# Altium PCB 891-萱250721-1.pcbdoc (part 2 of 5) (continued)
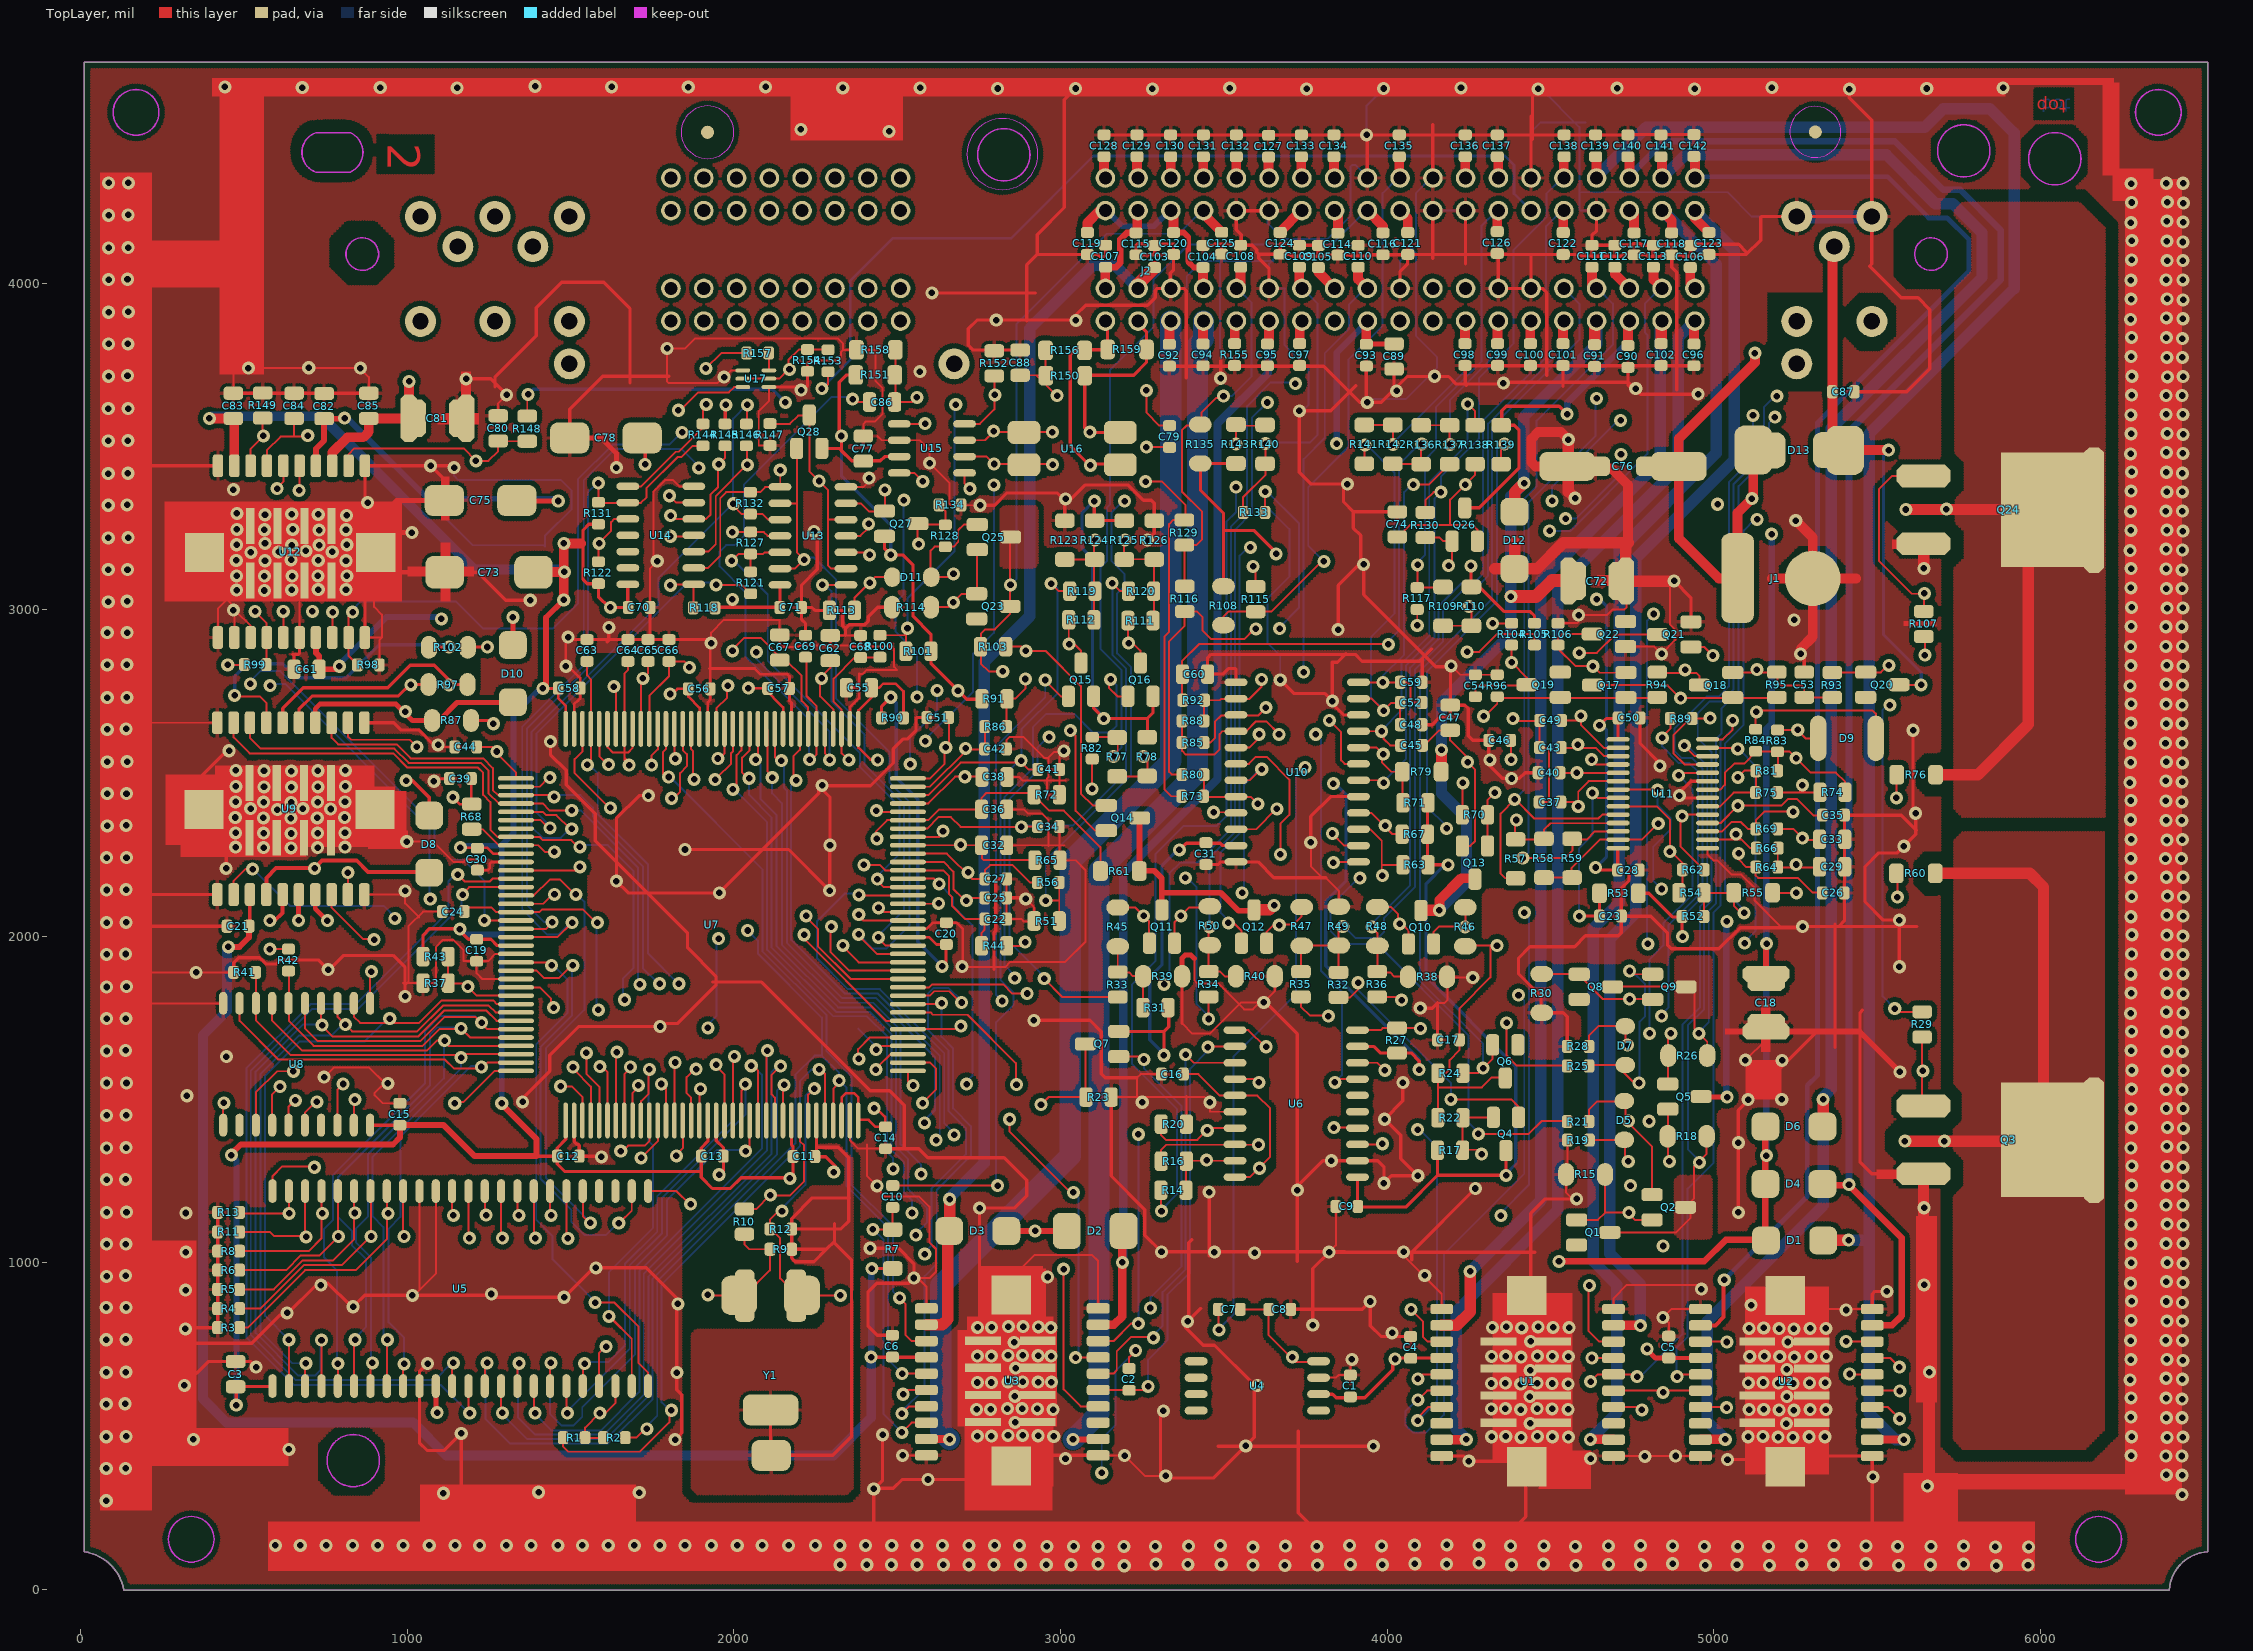
[diagram p0: TopLayer view]
## Nets (pads, with @x,y where several pads share a name; then routed paths per layer and width w, separated by ;. In a path a pad name is that pad's centre, name@x,y a point inside that pad or via, vN(x,y) a via of type N, cw(c..) or ccw(c..) an arc to the next point about the centre after c; other vN are vias at no path point) (continued)
  TopLayer w15: U12.22@913.74,3226.71 913.74,3281.71 967.03,3335 C75.2@1113,3335 ; v1(1014,3236) 965.53,3236 927.91,3198.38 927.91,3140.88 953.79,3115 C73.2@1114,3115 ; C78.2@1497,3526 1593.62,3526 1640,3479.62 v1(1640,3435) ; R39.2@3372,1878 3372,1933.72 3380.83,1942.55 3399.16,1942.55 3409.58,1932.13
  TopLayer w18: C18.2@5160,1709 5446,1709 v1(5570,1585)
  TopLayer w30: C76.2@4551,3439 4453.96,3439 4441.24,3451.71 4441.24,3523.38 4462.08,3544.21 4531.79,3544.21 v1(4555,3521) ; C76.2@4628.74,3432.55 4687.08,3432.55 4737.08,3382.55 4737.08,3205.88 4737.91,3205.05 ; 5177.2,3096 J1.2@5303,3096 ; v1(5251,3273) 5303,3221 J1.2@5303,3096 ; v1(5266,2865) 5266,2880.46 5303,2917.46 J1.2@5303,3096 ; 5436.12,3096 J1.2@5303,3096
  TopLayer w35: 4328.7,3125 D12.2@4390,3125 ; 4390,3207.14 D12.2@4390,3125 ; v1(4555,3521) 4555,3361.71 v1(4575.2,3341.5) ; C72.2@4730.41,3074.21 4730.41,3197.55 4737.91,3205.05 4538.74,3205.05 4458.7,3125 D12.2@4390,3125 ; C72.2@4732.08,3086.92 4877.29,3086.92 v1(4878.74,3088.38) ; 5642,1115.12 Q3.3@5642,1273 ; Q24.3@5642,3202 5643,3201 v1(5643,3127)
  MidLayer1 w6: v1(78,272) 550.96,272 v1@671.24,151.71 ; 121.24,2128.38 200.86,2208 v1(445,2208) ; v1@127.91,473.38 141.29,460 v1(345,460) 376,429 v1(637,429) 637,581 v1(537,681) 537,775.8 608.2,847 v1(632,847) 651,866 v1(834,866) 869,901 v1(1015,901) ; v1@134.58,3215.05 314.05,3215.05 v1(467,3368) 467,3187.62 490.41,3164.21 740.21,3164.21 878,3302 v1(878,3328) 970,3236 v1(1014,3236) 1022.08,3244.08 1022.08,3380.08 1077,3435 v1(1143,3435) ; v1(140,1551) 260.29,1551 306.24,1505.05 433.2,1632 v1(446,1632) 341.24,1736.76 341.24,1895.05 344.2,1898 v1(757,1898) ; v1(143,3717) 161.05,3735.05 851.05,3735.05 888.55,3772.55 1108.74,3772.55 1223.29,3658 v1(1304,3658) 1304,3543.96 1324.58,3523.38 1430.41,3523.38 1605.41,3698.38 1693.38,3698.38 v1(1795,3800) 1795,3692.96 1799.58,3688.38 1942.91,3688.38 1966.66,3712.13 v1(1969.99,3712.13) 1975.83,3712.13 2067.91,3804.21 2493.79,3804.21 v1(2569,3729) ; 322,405.96 v1(322,1153) ; v1(454.16,2568.38) 506.24,2568.38 797.91,2276.71 v1@1007.91,2276.71 ; v1(467,2999) 467,3104.97 v1@481.24,3119.21 ; 559.58,220.05 559.58,498.38 ; 732.91,1938.38 734.58,1938.38 867.91,1805.05 867.91,1643.38 ; v1(735,932) 905.96,932 987.91,850.05 1209.58,850.05 v1@1267.91,908.38 ; v1(745,1569) 745,1590.47 814.58,1660.05 1036.24,1660.05 ; v1@771.24,1905.05 771.24,1991.71 992.91,2213.38 1017.91,2213.38 ; v1(993,1816) 993,1603 v1(940,1550) 940,1481.29 1127.91,1293.38 1234.58,1293.38 1353,1411.8 v1(1353,1493) 1353,1615.14 1461.86,1724 v1(1774,1724) ; v1(993,2139) 993,2387 1094,2488 v1(1094,2586) ; 996.24,3358.38 1049.58,3358.38 v1@1378.74,3029.21 ; v1(1062,692) 1062,922.47 ; v1(1165,478) 1165,350 v1(1110,295) 2007,295 v1(2167,135) 2167,357.47 2283.53,474 v1(2455,474) 2521.24,407.76 2530.2,407.76 2797.91,140.05 v1@3126.24,140.05 ; 1199.58,1346.71 1572.29,1346.71 v1(1594,1325) 1594,1303.12 1651.24,1245.88 1930.41,1245.88 1967.91,1283.38 2081.24,1283.38 2137.91,1340.05 2243.74,1340.05 v1(2305.41,1278.38) 2395.62,1278.38 v1(2438,1236) ; v1(1257,905) 1483.7,905 1572.08,993.38 1881.24,993.38 1901.24,1013.38 ; v1(1376.24,3029.21) 1378.79,3029.21 1485,2923 1485,2643 v1(1438,2596) ; v1(1485,2827) 1593.05,2935.05 v1@1615.41,2935.05 ; v1(1616.66,2945.88) 1882.12,2945.88 v1(1930,2898) 1940.03,2898 2017.08,2975.05 2037.91,2975.05 2123.74,3060.88 2123.74,3176.71 2212.91,3265.88 2264.58,3265.88 ; v1(1640,2169) 2016.86,2169 2017.91,2170.05 ; v1(1640,3435) 1665.46,3435 1728.74,3371.71 1728.74,3108.38 ; v1(1695,135) 1695,282 v1(1710,297) 1710,349 v1(1820,459) 1840.2,459 1934.58,553.38 1981.24,553.38 1870.62,664 v1(1825,664) 1828,667 v1(1828,875) 1765.41,937.59 1765.41,1259.21 ; 1711.24,2911.71 1711.24,3116.71 1743.53,3149 v1(1765,3149) ; v1(1738,2431) 1738,2321.62 1793.62,2266 v1(1850,2266) 1955,2161 v1(1955,2133) 1962,2140 v1(2293,2140) 2293,2358.29 2270,2381.29 v1(2270,2462) ; 1756.24,2231.71 1756.24,2085.05 1936.24,1905.05 1936.24,1850.05 1811.24,1725.05 1757.91,1725.05 1922.91,1890.05 2369.58,1890.05 2616.24,1643.38 2794.58,1643.38 2857.91,1706.71 ; v1(2205,4471) 2543.62,4471 2803,4211.62 v1(2803,3887) ; v1(2205.41,3672.55) 2205.41,3687.55 2293.74,3775.88 2480.41,3775.88 ; v1(2245,3240) 2400.41,3395.41 2400.41,3404.21 2445.41,3449.21 ; v1(2324,135) 2324,204 v1(2428,308) 2687.53,308 2780.53,401 v1(3015,401) ; 2447.08,3814.21 2447.08,3450.88 2445.41,3449.21 ; 2501.24,3746.71 2521.24,3746.71 2782.91,4008.38 2821.24,4008.38 ; v1(2598.74,3449.21) 2445.41,3449.21 ; v1(2606,3970) 2963,3970 v1(3047,3886) 3047,3829.29 3099.58,3776.71 3612.91,3776.71 3631.24,3758.38 ; v1(2753.33,3320.05) 2995.83,3320.05 v1(3015.41,3339.63) ; 2757.91,4086.71 4636.24,4086.71 4641.17,4091.63 J2.78@4641.17,4222 ; v1(2840,805) 2840,342.96 2852.91,330.05 ; 2892.91,2221.71 3149.58,2221.71 3426.24,2498.38 3426.24,3208.38 3362.91,3271.71 ; v1(2932,804) 2932,929 v1(2960,957) ; 2936.24,3341.71 2936.24,3275.05 3059.58,3151.71 3237.49,3151.71 3266.24,3180.46 v1(3266.24,3213.38) 3342.91,3213.38 3406.24,3276.71 3406.24,3623.38 v1@3499.58,3716.71 ; v1(3010,2568) 3010,2283.8 2893.33,2167.13 v1(2893.33,2115.05) 2870.41,2115.05 2701,1945.64 2701,1906 2701,1895.29 2767.08,1829.21 2767.08,1729.21 2796.24,1700.05 2875.41,1700.05 v1(2918.33,1742.96) 3039.16,1742.96 3187.91,1594.21 3187.91,1554.09 v1(3250,1492) 3988,1492 v1(4048,1552) ; v1@3207.91,413.38 3233.53,439 v1(3958,439) ; v1(3309,1034) 4043,1034 4278.62,798.38 v1@4341.24,798.38 ; v1(3322,348) 3322,584.14 3389,651.14 3389,1151 3482,1244 4071,1244 v1(4094,1267) 4231,1267 v1(4270,1228) 4359.96,1228 4404.58,1183.38 v1@4592.91,1183.38 ; J2.38@3337.56,3984 3337.56,4099.69 ; v1(3489.99,3708.8) 3559.99,3708.8 3636.24,3785.05 3884.58,3785.05 4006.24,3663.38 ; v1(3492,77) 3492,374.14 v1@3567.91,450.05 ; J2.67@3538.11,4222 J2.68@3638.39,4222 3638.39,4064.57 J2.41@3638.39,3984 ; 3567.91,911.71 3918.29,911.71 4015,815 v1(4015,786) ; 3594.58,965.05 3594.58,1070.05 3964.53,1440 v1(3992,1440) 3992,1494.29 3974.58,1511.71 ; v1(3603,625) 3603,1078.47 ; v1(3622,1798) 3622,1805.8 3761.24,1945.05 4190.95,1945.05 v1(4262,1874) ; v1(3672.49,2785.05) 3672.49,2836.3 3775.2,2939 v1(3850,2939) 3928,3017 3928,3335 v1(3878,3385) 3831.29,3385 3762.08,3454.21 3762.08,3552.55 3879.53,3670 v1(4029,3670) 4074,3715 v1(4145,3715) 4166.2,3693.8 v1(4356.04,3693.8) 4449.16,3693.8 4507.91,3752.55 4685.45,3752.55 4777.95,3660.05 v1(4952.08,3660.05) ; v1(3731,3609) 3912.7,3609 3973.7,3670 ; 3766,1886.96 v1(3766,2288) ; v1@3824.58,1326.71 3772,1274.14 v1(3772,810) 3877,705 v1(3892,705) ; 3826.24,2855.05 4168.95,2855.05 v1(4196,2828) 4197.46,2828 4263.74,2761.71 4500.41,2761.71 ; v1(3832,2720) 3832,2912.47 v1@3861.24,2941.71 ; J2.98@3939.22,4322 3939.22,4546.22 v1(3989,4596) ; J2.45@4039.5,3984 4039.5,4119.97 ; v1(4101.24,1780.05) 4154.58,1780.05 4291.24,1916.71 4421.24,1916.71 4556.24,1781.71 4556.24,1236.71 v1@4596.24,1196.71 ; 4139.78,4063.18 J2.73@4139.78,4222 J2.74@4240.05,4222 ; J2.100@4139.78,4322 4139.78,4511.78 v1(4226,4598) ; v1(4250,393) 5158.29,393 5251.24,300.05 ; v1(4314.16,2540.46) 4314.16,2539.63 4370.41,2483.38 4423.74,2483.38 4490.41,2550.05 ; 4340.33,4130.8 J2.48@4340.33,3984 J2.49@4440.61,3984 ; J2.103@4440.61,4322 4440.61,4566.08 v1@4472.08,4597.55 ; v1(4480,134) 4403.74,210.26 4403.74,1028.38 4612.08,1236.71 5110.41,1236.71 ; 4507.91,1703.38 4537.91,1733.38 4537.91,2326.71 ; v1@4546.24,801.71 4627.08,801.71 4745.36,920 v1@4965.46,920 ; v1(4555,3521) 4555,3361.71 4578.74,3337.96 4997.04,3337.96 v1(5012,3323) 5012,3221.64 v1(4878.74,3088.38) 4800.41,3088.38 4732.49,3020.46 4732.49,2917.96 4785.46,2865 v1(4840,2865) ; 4757.49,2904.63 4678.74,2983.38 v1(4586.24,2983.38) 4562.08,2983.38 4490.41,2911.71 4490.41,2550.05 ; 4762.91,2424.21 4644.58,2305.88 4533.74,2305.88 4490.41,2349.21 4490.41,2550.05 ; v1(4802,1434) 5009,1434 v1(5075,1368) ; v1(4835,2522) 4748.2,2522 4725.41,2499.21 4725.41,2444.21 4772.08,2397.55 4855.41,2397.55 4888.74,2430.88 v1(4894.58,2430.88) ; v1(4962,920) v1@4965.46,920 ; v1(4971,132) 4971,327 v1(5042,398) 5270,398 v1(5340,468) 5364,468 v1(5487,345) 5623.8,345 5660,308.8 5660,850.46 5644,866.46 v1(5644,1169) 5501.29,1311.71 5427.08,1311.71 5236.79,1502 v1@5209,1502 ; v1(5097,1621) 5098,1620 v1(5209,1620) ; v1@5170.41,630.05 5075.41,630.05 4967.2,738.26 4938.74,738.26 v1(4844,833) 4844,1051 4948,1155 v1(5075,1155) 5075,1460.47 5115.53,1501 v1(5208,1501) v1@5209,1502 ; v1(5245,798) 5245,809.62 5179.58,875.05 5010.41,875.05 v1@4965.46,920 ; v1(5246,2969) 5377.91,3100.91 5377.91,3203.38 ; v1@5247.91,3282.55 5247.91,3233.38 5354.29,3127 v1(5643,3127) ; v1(5272,2030) 5445,2030 v1(5568,1907) ; v1(5343,800) 5352.86,800 5481.24,928.38 5676.24,928.38 ; v1@5404.58,4605.05 5484,4525.62 J2.113@5484,4204 ; 5459.58,4325.05 5624.58,4325.05 5712.91,4236.71 6119.58,4236.71 v1@6289.58,4066.71 ; 5499.58,4556.71 5397.91,4556.71 5254,4412.8 J2.109@5254,4204 5121.03,4204 5032.91,4115.88 5032.91,3740.88 v1(4952.08,3660.05) ; v1(5568,2050) 5568,1979 v1(5209,1620) ; v1(5570,1585) 5244,1585 v1(5209,1620) ; v1@5572.91,2270.05 5572.91,2333.38 5827.91,2588.38 5827.91,2686.71 ; 5631.24,388.38 6049.58,388.38 6051.24,386.71 ; v1(5964,131) 5964,422.8 6128.2,587 v1(6278,587) ; v1(6277,2653) 6255,2631 v1(5610,2631) 5436.96,2631 5266,2801.96 5266,2949 5037.91,3177.09 5037.91,3190.05 4952.08,3275.88 v1(4952.08,3660.05) ; v1(2438,1236) 2408.03,1236 2318.74,1146.71 2318.74,1059.21 2332.96,1045 v1(2417,1045) 2467.12,1045 2551,961.12 v1(2551,954) 2554,957 v1(2960,957) ; v1(2438,1236) 2471.96,1236 2487.08,1220.88 2596.24,1220.88 2648.74,1273.38 2720.41,1273.38 2752,1241.79 2752,1165 v1(2960,957) ; v1@5209,1502 v1(5209,1620)
  MidLayer2 w6: v1(145,3616) 269,3740 v1(856,3740) ; v1(537,681) 537,752 717,932 v1(735,932) 801,866 v1(834,866) 869,901 1261,901 1267,895 v1(1480,895) 1570,985 v1(1577,985) ; v1(814,3289) 814,3409.47 842.08,3437.55 946.24,3437.55 1014,3369.79 v1(1014,3236) ; v1(878,3328) 985,3435 v1(1143,3435) ; 904.58,3403.38 1180,3678.8 v1(1180,3707) ; 1196.24,1674.21 1282.91,1674.21 1347.08,1738.38 1700.25,1738.38 1714.63,1724 v1(1774,1724) ; v1(1304,3658) 1229,3658 v1(1180,3707) ; 2030.14,2936 2471.94,2936 2514.58,2978.64 ; v1(2475,4465) 1164.53,4465 961.24,4261.71 961.24,4170.05 1180,3951.29 v1(1180,3707) ; v1(2803,3887) 3052.36,3887 3098.74,3933.38 3638.74,3933.38 3638.39,3933.74 J2.41@3638.39,3984 ; 2861.66,3455.05 2912.49,3404.21 3171.24,3404.21 3214.58,3447.55 3283.74,3447.55 3392.08,3339.21 3560.79,3339.21 3588.96,3367.39 3588.96,3386.64 3599.1,3396.77 3684.52,3396.77 3696.29,3385 v1(3878,3385) ; 3337.56,3933.74 J2.38@3337.56,3984 ; J2.98@3939.22,4322 3892.36,4322 3891.24,4320.88 3891.24,4160.05 3911.24,4140.05 3953.74,4140.05 4039.5,4054.29 J2.45@4039.5,3984
  MidLayer2 w10: J2.38@3337.56,3984 3337.56,4060.56 3384,4107 3506,4107 3538.11,4139.11 ; J2.41@3638.39,3984 3638.39,4055.61 3554.89,4139.11 3538.11,4139.11 ; J2.68@3638.39,4222 J2.67@3538.11,4222 3538.11,4139.11 ; v1(3937,4454) 3939.22,4451.78 J2.98@3939.22,4322 ; 3939,4401 4115,4401 4139.78,4376.22 J2.73@4139.78,4222 J2.74@4240.05,4222 4240.05,4097.95 4257,4081 4325,4081 4340.33,4065.67 ; 4392,4074 4392,4318 4396,4322 J2.103@4440.61,4322 ; J2.49@4440.61,3984 J2.48@4340.33,3984 4340.33,4065.67 ; J2.78@4641.17,4222 4641.17,4115.17 4604,4078 4352.66,4078 4340.33,4065.67 ; v1(5415,4594) 5344,4523 5254,4523 J2.109@5254,4204 J2.113@5484,4204
  MidLayer2 w15: v1(3250,1492) v1(3457,1492)
  BottomLayer w6: 1102.91,3294.21 1199.58,3197.55 1417.91,3197.55 1421.24,3194.21 1421.24,3225.88 1502.91,3307.55 1502.91,3364.21 1470.41,3396.71 1156.24,3396.71 1143,3409.96 v1(1143,3435) ; J2.38@3337.56,3984 3381.86,3984 3386.24,3988.38 3386.24,4020.88 3432.91,4067.55 3651.24,4067.55 ; v1(3489.99,3708.8) 3489.99,3777.96 3488.74,3779.21 3488.74,4063.38 3489.58,4063.38 3506.24,4080.05 ; J2.67@3538.11,4222 J2.68@3638.39,4222 ; 3614.58,3307.55 3639.58,3307.55 3700.41,3246.71 3700.41,3101.71 3632.91,3034.21 3632.91,2898.38 3672.49,2858.8 v1(3672.49,2785.05) ; J2.68@3633.74,4234.21 3633.74,4183.38 3682.08,4135.05 3817.08,4135.05 3887.08,4205.05 3887.08,4355.88 3892.91,4361.71 3903.74,4361.71 3939.22,4326.24 J2.98@3939.22,4322 ; 3656.24,4077.55 3638.39,4059.69 J2.41@3638.39,3984 3687.29,3984 3685.41,3982.12 3685.41,3811.71 3759.58,3737.55 3759.58,3627.55 v1@3730.41,3598.38 ; v1(3937,4454) 3937,4544 v1(3989,4596) ; v1@3938.74,3645.88 4057.91,3645.88 4152.91,3740.88 4152.91,3773.38 4087.91,3838.38 4087.91,4092.55 4071.24,4109.21 ; J2.45@4039.5,3984 4039.5,4069.14 4088.74,4118.38 4088.74,4276.71 4134.03,4322 J2.100@4139.78,4322 ; J2.73@4139.78,4222 J2.74@4240.05,4222 ; J2.48@4340.33,3984 4340.33,4126.63 ; J2.103@4440.61,4322 4440.61,4463.58 4468.74,4491.71 4607.91,4491.71 ; v1(4462,4595) 4471.29,4595 4588.33,4477.96 4588.33,4226.71 4593.04,4222 J2.78@4641.17,4222 ; 4587.08,4278.38 5042.08,4278.38 5116.46,4204 J2.109@5254,4204
  BottomLayer w15: J2.109@5254,4204 J2.113@5484,4204
  other v1: 3195,73 5865,73 3687,74 4578,74 4974,74 5170,74 5566,74 3589,75 3786,75 5962,75 2325,76 2407,76 2482,76 2561,76 2641,76 2719,76 2796,76 2877,76 2956,76 3032,76 3985,76 4381,76 4775,76 5071,76 5367,76 5663,76 3390,77 3887,77 4678,77 5270,77 3115,78 3292,78 4182,78 4478,78 5765,78 4085,79 4874,79 5466,79 4281,81 3589,130 5862,131 2958,132 3040,132 3115,132 3194,132 3290,132 3785,132 4576,132 5073,132 5168,132 5563,132 5665,132 3392,133 3688,133 5765,133 3983,134 4378,134 4677,134 4874,134 5269,134 5466,134 596,135 672,135 751,135 832,135 909,135 987,135 1067,135 1146,135 1221,135 1303,135 1379,135 1461,135 1536,135 1615,135 1773,135 1850,135 1931,135 2010,135 2086,135 2249,135 2403,135 2561,135 2638,135 2719,135 2798,135 2874,135 3489,135 3885,135 4776,135 5368,135 4084,136 4281,136 4183,137 6434,291 1402,298 5654,317 2594,337 6434,350 6386,351 78,371 137,371 4623,401 4883,409 6384,409 6433,409 3196,410 6278,410 2516,411 3567,440 4410,466 5242,466 6388,466 4555,467 5197,467 6436,467 78,468 4320,468 4506,468 5105,468 5292,468 6279,468 139,469 2979,469 4363,469 4460,469 5150,469 2745,470 2788,470 2931,471 2839,472 2884,472 5222,508 4438,509 2861,511.71 6386,526 6434,526 6277,528 3315,547 5245,549 5200,550 2977,551 4409,551 5108,551 5295,551 5343,551 2743,552 2786,552 4554,552 5153,552 2929,553 4319,553 4505,553 2837,554 2882,554 4362,554 4459,554 78,568 136,569 6434,583 6385,586 4437,591 5224,591 2860,592 4409,629 4554,630 4319,631 4505,631 5243,631 4362,632 4459,632 5198,632 5106,633 5293,633 5341,633 2745,634 2788,634 5151,634 2931,635 2972,635 2839,636 2884,636 6275,642 6435,644 6385,647 78,665 138,666 5660,666 4438,671 5224,674 2862,678 6436,702 6277,704 6387,705 4410,712 5247,712 4555,713 5202,713 4320,714 4506,714 5110,714 5297,714 5345,714 2745,715 2788,715 2971,715 4363,715 4460,715 5155,715 2931,716 2839,717 2884,717 2858,757 5227,758 4439,760 6276,762 6384,763 6435,763 78,765 320,798 5200,799 5108,800 5295,800 4412,801 5153,801 2970,802 4557,802 2746,803 2789,803 4322,803 4508,803 4365,804 4462,804 2885,805 3389,821 6387,822 6435,822 6278,824 5405,856 78,864 139,864 6435,879 6386,882 6279,883 321,917 5644,933 6276,938 6436,940 6386,943 79,959 137,961 4115,962 6437,998 6278,1000 6388,1001 3594,1031 322,1033 3471,1033 4845,1052 79,1058 138,1058 6277,1058 6385,1059 6436,1059 6437,1116 6278,1118 6388,1119 79,1155 140,1156 6277,1176 6385,1177 6436,1177 6388,1236 6436,1236 4745,1237 6279,1238 79,1255 137,1256 1954.58,1270.05 6436,1293 6387,1296 6280,1297 79,1352 6277,1352 139,1353 6437,1354 6387,1357 6438,1412 6279,1414 6389,1415 79,1452 139,1453 6278,1472 6386,1473 6437,1473 5105,1500 325,1512 6385,1531 6434,1531 6279,1532 79,1551 6389,1588 6437,1589 6280,1590 6387,1648 6435,1648 79,1649 6278,1650 137,1651 6435,1705 6386,1708 6279,1709 79,1748 6276,1764 6436,1766 6386,1769 6437,1824 6278,1826 6388,1827 79,1845 6277,1884 6385,1885 6436,1885 353,1890 2698.33,1907.55 6388,1944 6436,1944 79,1945 137,1946 6279,1946 6436,2001 6387,2004 6280,2005 79,2042 6277,2060 6437,2062 6387,2065 6438,2120 6279,2122 6389,2123 79,2142 6278,2180 6386,2181 6437,2181 6383,2238 6432,2238 6277,2239 79,2241 140,2241 644,2271 560,2272 725,2272 474,2273 809,2273 5582,2276 6387,2295 6435,2296 6278,2297 644,2315 560,2316 725,2316 474,2317 809,2317 81,2338 139,2340 6385,2355 6433,2355 6276,2357 643,2362 559,2363 724,2363 473,2364 808,2364 602,2388 765,2390 520,2391 680,2391 644,2410 560,2411 725,2411 474,2412 809,2412 6433,2412 6384,2415 6277,2416 81,2437 140,2437 645,2457 561,2458 726,2458 475,2459 810,2459 6274,2471 6434,2473 6384,2476 4381.24,2483.38 645,2506 561,2507 726,2507 475,2508 810,2508 6435,2531 6276,2533 81,2534 6386,2534 142,2535 6275,2591 6383,2592 6434,2592 81,2634 6386,2651 6434,2651 6434,2708 6385,2711 6278,2712 81,2731 141,2732 6275,2767 6435,2769 6385,2772 6436,2827 6277,2829 6387,2830 81,2831 141,2832 6276,2887 6384,2888 6435,2888 1492,2916 81,2930 142,2930 6384,2948 6433,2948 6278,2949 6388,3005 6436,3006 6279,3007 84,3024 142,3026 562,3059 727,3062 812,3062 6386,3065 6434,3065 6277,3067 562,3103 647,3103 477,3104 726,3104 815,3104 6434,3122 84,3123 143,3123 6385,3125 6278,3126 564,3150 812,3150 476,3151 727,3151 644,3153 521,3176 606,3177 770,3177 689,3180 6275,3181 6435,3183 6385,3186 646,3198 730,3198 477,3199 815,3199 564,3203 84,3220 145,3221 6436,3241 6277,3243 730,3244 6387,3244 562,3245 812,3245 478,3246 649,3246 564,3291 727,3292 646,3293 478,3295 6276,3301 6384,3302 6435,3302 84,3320 142,3321 6387,3361 6435,3361 6278,3363 84,3417 6435,3418 6386,3421 6279,3422 6276,3477 6436,3479 6386,3482 84,3517 144,3518 6437,3537 6278,3539 6388,3540 6277,3597 6385,3598 6436,3598 84,3616 6385,3656 6434,3656 6279,3657 4761,3677 6389,3713 6437,3714 85,3715 6280,3715 513,3740 698,3741 6387,3773 6435,3773 6278,3775 85,3814 144,3814 6435,3830 6386,3833 6279,3834 6276,3889 6436,3891 6386,3894 85,3911 146,3912 6437,3949 6278,3951 6388,3952 6277,4009 6385,4010 6436,4010 85,4011 143,4012 6388,4069 6436,4069 6279,4071 85,4108 145,4109 6436,4126 6387,4129 6280,4130 6277,4185 6437,4187 6387,4190 85,4208 145,4209 6438,4245 6279,4247 6389,4248 6278,4305 6386,4306 6437,4306 85,4307 146,4307 3281,4595 3753,4595 4941,4595 2807,4596 5652,4596 3518,4597 4704,4597 1152,4598 2333,4598 2570,4598 5886,4598 678,4599 917,4599 5178,4599 1860,4600 441,4601 1625,4601 2097,4601 1391,4603
NewNet23: C110.1 J2.44 R86.2 R91.1 | length 2394.9
  TopLayer w6: R86.2@2835,2642 2835,2720.47 2842.49,2727.96 2861.66,2727.96 2892,2758.3 v1(2892,2788)
  TopLayer w30: C110.1@3911,4049 3911,4012.22 J2.44@3939.22,3984
  MidLayer2 w10: v1@2898,2787 2898,2790 2937,2829 3730,2829 v1@3750,2809
  BottomLayer w6: v1(3744.16,2808.8) 3744.16,3461.3 3808.74,3525.88 3808.74,3785.88 3883.74,3860.88 3883.74,3935.05 J2.44@3935.96,3987.26
NewNet24: C105.1 J2.43 R100.2 R101.2 | length 2641.6
  TopLayer w6: R100.2@2447,2922 2521.95,2922 2531.24,2931.3 v1(2531.24,2943.38) 2526,2938.14 R101.2@2526,2873
  TopLayer w30: C105.1@3789,4048 3789,4033.94 J2.43@3838.94,3984
  MidLayer2 w10: v1(2679,3628) 2697,3610 3137,3610 3153,3594 3337,3594 3381,3550 3785,3550 3890,3655 3890,3932.94 J2.43@3837.94,3985
  BottomLayer w6: v1(2531.24,2943.38) 2531.24,3034.63 2674.99,3178.38 2674.99,3623.99 v1(2679,3628)
NewNet25: C109.1 J2.42 R133.1 R140.2 | length 943
  TopLayer w6: R133.1@3559,3298 3559,3345.3 3627.49,3413.8 v1@3627.49,3505.05
  TopLayer w30: C109.1@3731,4049 3731,3991.67 J2.42@3738.67,3984
  BottomLayer w6: v1(3627.49,3508.8) 3631.24,3512.55 3763.74,3512.55 3786.24,3535.05 3786.24,3938.38 3740.62,3984 J2.42@3738.67,3984
NewNet26: C108.1 J2.40 R116.2 R129.1 R135.1 | length 1207.6
  TopLayer w6: R116.2@3380,3072 3380,3195.89 3382.08,3197.96 3414.99,3197.96 3433.33,3216.3 3433.33,3299.84 3371.04,3362.13 3371.04,3549.01 3386.24,3564.21 3425.21,3564.21 3430.83,3569.83 3430.83,3603.38 3476.45,3649 v1@3502,3649
  TopLayer w30: J2.40@3538.11,3984 3551,3996.89 C108.1@3551,4049
  BottomLayer w6: v1(3498.74,3654.21) 3523.74,3654.21 3584.99,3715.46 3584.99,3939.63 3540.62,3984 J2.40@3538.11,3984
NewNet27: C75.1 C82.1 C104.1 C119.2 C120.2 J2.39 J2.63 J2.65 U12.4 | length 3836
  TopLayer w15: C75.1@1340.03,3333 v1(1462,3333)
  TopLayer w18: U12.4@720,3441 720,3493 745,3518 C82.1@745,3585 804,3585 v1@808,3589 ; C120.2@3346,4155 3377.12,4155 3390.83,4141.3 3390.83,4065.88 3408.71,4048 C104.1@3436,4048
  TopLayer w30: C119.2@3082,4155 3082,4184.97 3119.03,4222 J2.63@3137,4222 ; J2.65@3337.56,4222 3346,4213.56 C120.2@3346,4155 ; J2.39@3436,3985.83 C104.1@3436,4048
  MidLayer2 w15: v1(1462,3333) 1462,3347 1841,3726 1841,3777 1882,3818 2564,3818 2761,4015 2934,4015 3136,4217 J2.63@3136,4223
  BottomLayer w18: v1(807.91,3586.71) 816.24,3586.71 1062.91,3340.05 1454.95,3340.05 v1(1462,3333) ; J2.63@3137,4222 3140.96,4222 3188.74,4174.21 3285.41,4174.21 3333.2,4222 J2.65@3337.56,4222